# KiCad board multistepper.kicad_pcb (continued)
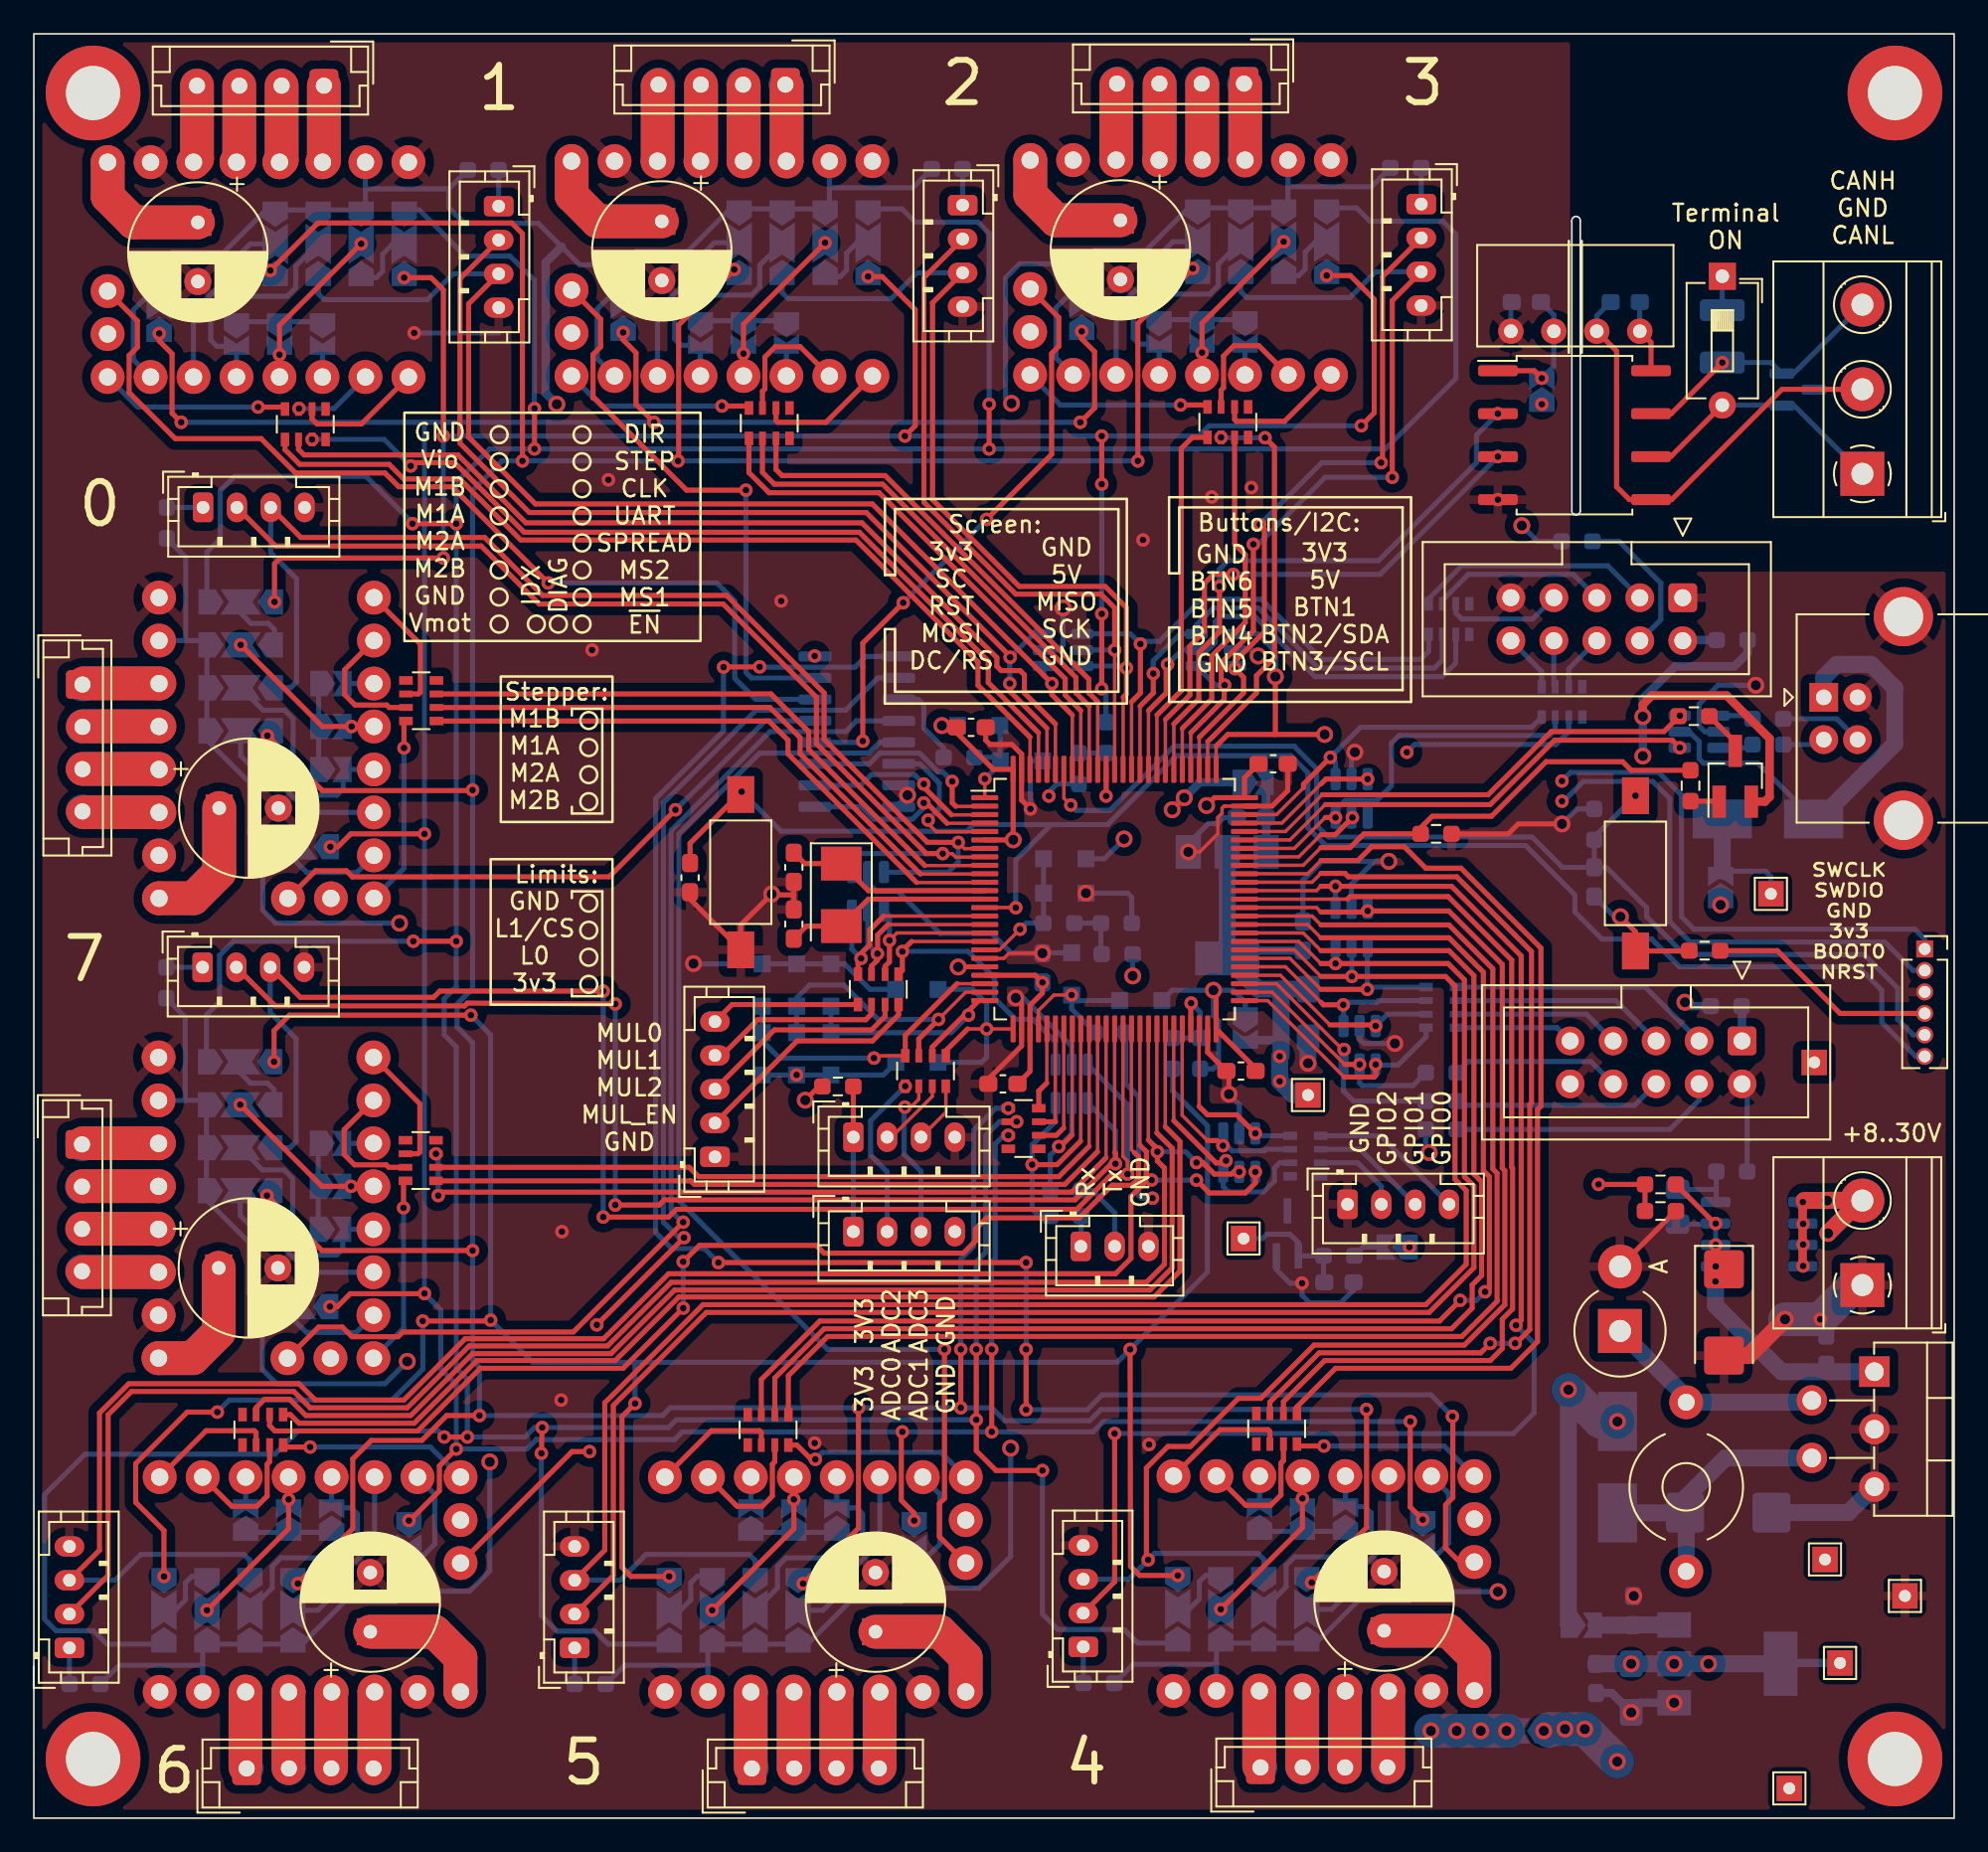
[diagram p0: board, top side]
## Routing (per net, layer and track width the routed paths; a pad name or vN(x,y) marks a point on that pad's centre or on a via; arc(x,y) is an arc through that point) (continued)
/MCU base/MOT_MUL0: length 13.1
  Top w0.2: U1.15 50.23,53.34 ; 48.89,51.13 v2(48.89,50.83)
  Top w0.3: v2(48.89,50.83) 48.71,50.65 RN6.8 ; 50.23,53.34 49.4,52.51 49.4,51.64 48.89,51.13
  Bottom w0.3: D4.6 48.35,51.38 v2(48.89,50.83)
/MCU base/MOT_MUL1: length 11.8
  Top w0.2: U1.16 50.49,52.84 ; 49.87,51.12 v2(49.86,51.11)
  Top w0.3: 49.87,51.12 49.87,52.22 50.49,52.84 ; RN6.7 49.51,50.38 49.86,50.73 v2(49.86,51.11)
  Bottom w0.3: D4.5 49.3,51.67 v2(49.86,51.11)
/MCU base/MOT_MUL2: length 9.8
  Top w0.2: U1.17 51.01,52.34 v2(50.57,51.9)
  Top w0.3: v2(50.57,51.9) 50.57,50.63 50.31,50.37 RN6.6
  Bottom w0.3: D4.4 50.57,53.34 v2(50.57,51.9)
/MCU base/MOT_MUL_EN: length 19.9
  Top w0.2: U1.18 51.88,51.84 ; 51.33,51.29 v2(51.33,51.24)
  Top w0.3: RN6.5 51.33,50.13 v2(51.33,51.24) ; 51.88,51.84 51.33,51.29
  Bottom w0.3: v2(51.33,51.24) 51.35,51.26 55.21,51.26 56.77,49.7 56.77,48.5 58.04,47.23 59.05,47.23 60.39,45.89 D5.1
/MCU base/NRST: length 97
  Top w0.2: U1.14 58.03,53.84 v2(58.04,53.83)
  Top w0.3: SW1.1 41.78,60.64 v2(41.83,60.69) 38.78,57.64 C2.1
  Bottom w0.3: v2(58.04,53.83) 58.04,56.65 60.13,58.74 ; 60.13,58.74 63.49,58.74 63.49,58.77 67.54,62.82 74.29,62.82 75.31,61.81 75.31,58.55 76.36,57.51 88.17,57.51 91.08,54.59 91.08,53.58 92.68,51.98 95.63,51.98 97.27,50.34 107.83,50.34 109.22,48.95 109.22,47.05 111.23,45.04 J1.6 ; 60.13,58.74 55.53,58.74 55.14,58.35 44.17,58.35 v2(41.83,60.69)
/MCU base/OSC_IN: length 12.2
  Top w0.3: U1.12 49.33,54.84 Y1.1 45.56,56.44 C1.1
/MCU base/OSC_OUT: length 12.3
  Top w0.3: C4.1 45.66,52.74 Y1.2 49.32,54.34 U1.13
/MCU base/OUT0: length 10.7
  Top w0.2: 68.87,46.67 68.87,42.08
  Top w0.3: v2(72.2,40.49) 71.1,41.59 69.37,41.59 68.87,42.08
  Bottom w0.3: v2(72.2,40.49) 72.34,40.35 RN2.8
/MCU base/OUT1: length 13.1
  Top w0.2: 67.87,46.67 67.87,41.56 69.37,40.06
  Top w0.3: 69.37,40.06 69.93,40.06 70.23,39.76 v2(70.28,39.76)
  Bottom w0.3: RN2.7 72.81,39.55 72.72,39.45 70.84,39.45 70.53,39.76 v2(70.28,39.76) 70.28,40.47 D6.1
/MCU base/OUT2: length 16.5
  Top w0.2: 67.37,46.67 67.37,41.24
  Top w0.3: 67.37,41.24 69.87,38.74 70.38,38.74 70.46,38.82 v2(70.46,38.88)
  Bottom w0.3: v2(70.46,38.88) 70.46,38.38 D6.6 70.3,37.34 70.6,37.03 72.68,37.03 73.33,37.68 73.33,38.44 73.64,38.75 RN2.6
/MCU base/SCRN_CS: length 14.1
  Top w0.2: 76.07,49 74.24,50.84 71.56,50.84
  Top w0.3: v2(78.82,49) 76.07,49
  Bottom w0.2: 78.82,51.53 D8.4
  Bottom w0.3: 78.82,51.53 v2(78.82,49) 79.05,49.14 RN4.4
/MCU base/SCRN_DCRS: length 14.5
  Top w0.2: 71.56,48.34 72.93,48.34 77.44,43.82
  Top w0.3: v2(79.31,44.56) 79.31,43.91 79.22,43.82 77.44,43.82
  Bottom w0.3: RN4.1 82.28,46.19 80.63,44.53 79.34,44.53 v2(79.31,44.56)
/MCU base/SCRN_MISO: length 15.1
  Top w0.2: v2(77.44,45.45) 77.34,45.45 73.45,49.34 71.56,49.34
  Bottom w0.2: D7.6 77.44,44.6 v2(77.44,45.45)
  Bottom w0.3: D7.6 77.41,42.99 78,42.4 R15.1
/MCU base/SCRN_MOSI: length 12.3
  Top w0.2: 76.61,46.9 73.67,49.84 71.56,49.84 ; 79.25,46.9 v2(79.31,46.84)
  Top w0.3: 76.61,46.9 79.25,46.9
  Bottom w0.3: RN4.2 80.01,47.54 v2(79.31,46.84)
/MCU base/SCRN_RST: length 13
  Top w0.2: 76.07,48.24 73.98,50.34 71.56,50.34
  Top w0.3: 76.07,48.24 76.22,48.09 v2(77.39,48.09)
  Bottom w0.3: D7.1 77.41,48.07 v2(77.39,48.09) 77.55,48.24 79.37,48.24 79.47,48.34 RN4.3
/MCU base/SCRN_SCK: length 14
  Top w0.2: 77.48,44.56 76.72,45.33 76.7,45.33 73.19,48.84 71.56,48.84
  Top w0.3: 77.48,44.56 v2(78.36,44.56)
  Bottom w0.3: R14.1 81.51,43.31 78.51,43.31 78.36,43.47 v2(78.36,44.56)
/MCU base/SWCLK: length 61.5
  Top w0.2: U1.76 69.88,63.39
  Top w0.3: 73.35,64.07 73.38,64.11 v1(73.38,67.5) ; 73.35,64.07 70.57,64.07 69.88,63.39 ; 73.35,64.07 v1(76.29,64.07)
  Power.Cu w0.3: v1(76.29,64.07) 87.57,64.07 v2(90.32,61.32)
  Bottom w0.3: v1(73.38,67.5) 73.38,68.97 72.33,70.02 D2.1 ; J1.1 111.76,51.98 111.17,52.56 98.12,52.56 97.38,53.3 97.38,60.48 96.04,61.83 90.83,61.83 v2(90.32,61.32)
/MCU base/SWDIO: length 51.3
  Top w0.2: 71.56,58.84 73.76,58.84 76.07,61.15
  Top w0.3: v2(78.83,61.44) 76.37,61.44 76.07,61.15
  Power.Cu w0.3: v2(90.32,60.13) 90.32,60.13 90.32,60.05 89.32,60.05 87.94,61.44 v2(78.83,61.44)
  Bottom w0.3: J1.2 111.07,50.12 109.4,51.8 97.89,51.8 96.7,52.99 96.7,60.28 95.68,61.3 91.59,61.3 90.42,60.13 v2(90.32,60.13)
/MCU base/USART1_RX: length 18.2
  Top w0.2: 61.87,46.67 61.87,40.04
  Top w0.3: v2(59,38.64) 60.48,38.64 61.87,40.04
  Bottom w0.3: D5.6 60.39,41.2 59,39.81 v2(59,38.64) 59,36 59.41,35.59 R24.1
/MCU base/USART1_TX: length 13
  Top w0.2: 61.37,46.67 61.37,40.4
  Top w0.3: v2(60.58,39.71) 60.68,39.71 61.37,40.4
  Bottom w0.3: R25.1 60.07,39.2 v2(60.58,39.71) 61.34,40.47 D5.5
/Motors/DIAG0: length 35.8
  Top w0.3: v2(37.92,59.62) 34.01,55.66 23.5,55.66 ; XX1.18 16.65,56.01 18.47,56.01 18.83,55.66 23.5,55.66
  Bottom w0.3: U7.13 43.23,64.88 41.96,63.61 v2(37.92,59.62)
/Motors/DIAG1: length 57.7
  Top w0.3: XX2.18 6.12,88.53 6.12,86.97 5.63,86.48 5.63,84.29 8.36,81.57 13.44,81.57 15.47,79.53 20.75,79.53 21.56,78.72 24.71,78.72 v2(30.4,73.03)
  Bottom w0.3: U7.14 42.67,66.15 41.43,67.39 41.43,71.97 40.36,73.03 v2(30.4,73.03)
/Motors/DIAG2: length 33.6
  Top w0.3: v2(42.09,78.52) 38.58,78.52 33.14,83.96 33.05,83.96 33.05,86.54 33.5,86.99 33.5,88.63 XX3.18
  Bottom w0.3: U7.15 42.42,67.42 42.09,67.75 v2(42.09,78.52)
/Motors/DIAG3: length 35.1
  Top w0.3: v2(49,63.69) 49,69.48 v2(51.38,71.86) ; XX4.18 60.58,88.72 60.58,87.03 60.16,86.6 60.16,80.64 v2(56.31,76.79)
  Bottom w0.3: v2(49,63.69) 48.92,63.61 U7.12 ; v2(51.38,71.86) v2(56.31,76.79)
/Motors/DIAG4: length 113.2
  Top w0.3: v2(83.84,23.76) 83.87,23.78 83.87,18.96 83.44,18.52 83.44,15.98 84.28,15.15 XX5.18 ; v2(40.77,68.05) 40.78,68.07 v2(42.9,68.07) ; v2(58.65,27.72) v2(58.65,24.15) ; v2(58.65,32.85) v2(40.46,32.85)
  Bottom w0.3: v2(58.65,27.72) v2(58.65,32.85) ; v2(40.46,32.85) 39.64,33.67 37.71,33.67 36.75,34.63 36.75,60.28 40.77,64.29 v2(40.77,68.05) ; U7.1 49.17,68.69 48.54,68.05 42.91,68.05 v2(42.9,68.07) ; v2(58.65,24.15) 62.27,24.15 63.14,25.03 82.57,25.03 v2(83.84,23.76)
/Motors/DIAG5: length 69.7
  Top w0.3: XX6.18 53.52,16.65 53.52,18.6 53.82,18.91 v2(53.82,27.72)
  Bottom w0.3: v2(53.82,27.72) 46.91,27.72 38.12,36.51 38.12,58.2 42.9,62.97 49.35,62.97 49.99,63.61 U7.5
/Motors/DIAG6: length 68.7
  Top w0.3: XX7.18 31.81,21.67 v2(32.84,21.67) ; v2(38.43,34.32) v2(33.27,29.17)
  Ground.Cu w0.3: v2(32.84,21.67) 32.84,28.73 v2(33.27,29.17)
  Bottom w0.3: U7.2 49.88,67.42 47.98,65.51 42.7,65.51 37.21,60.03 37.21,35.24 38.12,34.32 v2(38.43,34.32)
/Motors/DIAG7: length 66.8
  Top w0.3: XX8.18 16.83,29.04 18.23,29.04 18.8,28.47 21.53,28.47 21.81,28.75 31.89,28.75 v2(38.38,35.24)
  Bottom w0.3: v2(38.38,35.24) 38.33,35.24 37.67,35.9 37.67,58.4 43.51,64.24 47.98,64.24 48.61,64.88 U7.4
/Motors/MISO: length 353.7
  Top w0.3: v2(30.05,23.1) v2(30,21.57) ; RN7.2 57.6,41.18 v2(58.09,41.18) ; v2(29.59,83.34) v2(29.59,80.96) ; v2(55.7,27.72) v2(55.7,23.55) 55.7,21.72 56.87,20.56 v2(59.61,20.56) ; v2(22.38,76.54) v2(24.97,76.54) ; v2(24.26,22.54) v2(25.63,22.54) ; v2(56.46,83.6) v2(56.46,80.96) ; v2(24.97,51.85) v2(22.43,51.85)
  Bottom w0.3: JP57.3 4.32,10.29 3.53,11.08 1.32,11.08 0.63,11.77 0.63,19.13 3.02,21.52 14.25,21.52 15.62,22.89 23.9,22.89 v2(24.26,22.54) ; JP9.3 10.23,74.85 11.02,75.65 11.02,78.49 11.86,79.33 19.63,79.33 22.38,76.59 v2(22.38,76.54) ; v2(56.46,83.6) 56.46,93.71 55.8,94.37 52.09,94.37 51.32,95.15 JP25.3 ; JP17.3 22.78,95.08 25.51,92.36 28.15,92.36 29.59,90.91 v2(29.59,83.34) ; v2(22.43,51.85) 11.81,51.85 10.97,51.01 10.97,48.27 10.2,47.49 JP65.3 ; v2(58.09,41.18) 57.07,41.18 56.26,40.37 56.26,33.46 55.7,32.9 v2(55.7,27.72) ; v2(30,21.57) 30,11.97 30.91,11.06 33.17,11.06 33.94,10.29 JP49.3 ; v2(55.7,23.55) 37.97,23.55 37.51,23.1 v2(30.05,23.1) 29.59,23.1 29.03,22.54 v2(25.63,22.54) 25.63,25.94 24.97,26.6 24.97,45.6 24.26,46.31 24.26,48.45 24.97,49.16 v2(24.97,51.85) v2(24.97,76.54) 24.97,78.98 26.95,80.96 v2(29.59,80.96) v2(56.46,80.96) 79.88,80.96 84.05,85.12 84.05,93.66 83.29,94.42 78.97,94.42 78.18,95.21 JP33.3 ; v2(59.61,20.56) 59.61,12.07 60.53,11.16 64.44,11.16 65.24,10.35 JP41.3
/Motors/MOSI: length 236.6
  Top w0.3: v2(24.97,21.83) 23.97,20.83 23.97,19.36 22.21,17.59 v2(22.17,17.59) ; v2(23.09,58.2) 23.08,58.2 18.73,58.2 17.97,57.43 v2(17.53,57.43) ; v2(51.33,22.84) 51.27,22.78 51.27,18.79 52.03,18.03 v2(52.03,17.59) ; v2(56.62,22.84) v2(56.62,27.72) ; v2(82.09,17.65) 81.35,18.4 81.35,23.45 v2(81.36,23.45) ; v2(23.09,31.02) 23.08,31.01 18.7,31.01 17.94,30.25 v2(17.5,30.25) ; v2(8.71,82.53) 8.17,83.07 8.17,86.58 7.41,87.34 v2(7.41,87.78) ; v2(61.93,87.91) 61.93,87.47 62.7,86.71 62.7,83.38 v2(61.85,82.53) ; v2(36.65,82.53) 35.59,83.59 35.59,86.64 34.83,87.41 v2(34.83,87.84)
  Bottom w0.3: v2(81.36,23.45) 63.22,23.45 62.61,22.84 v2(56.62,22.84) v2(51.33,22.84) 38.33,22.84 37.87,22.38 29.69,22.38 29.13,21.83 v2(24.97,21.83) 24.97,25.64 24.05,26.55 24.05,30.06 v2(23.09,31.02) v2(23.09,58.2) 23.09,82.53 ; v2(57.6,40.37) 57.33,40.37 56.82,39.86 56.82,33.1 56.62,32.9 v2(56.62,27.72) ; v2(61.85,82.53) v2(36.65,82.53) 23.09,82.53 ; 23.09,82.53 v2(8.71,82.53)
/Motors/SCK: length 291
  Top w0.3: v2(75.52,13.93) 78.77,17.18 78.77,22.74 v2(78.76,24.16) ; v2(38.07,80.25) 38.11,80.28 38.11,88.28 v2(41.4,91.57) ; v2(45.46,13.87) 48.74,17.15 v2(48.74,24.26) ; v2(15.6,13.87) 18.85,17.12 18.85,21.24 19.94,22.33 22.93,22.33 24.4,23.81 v2(26.34,23.81) ; v2(28.88,80.25) 28.88,93.68 28.24,94.32 16.79,94.32 v2(13.98,91.5) ; v2(65.25,80.25) 65.25,88.38 v2(68.5,91.63) ; v2(54.79,24.26) v2(54.79,27.72) ; v2(13.78,36.81) 17.03,33.56 v2(25.93,33.56) ; v2(13.81,64) 17.05,60.76 25.9,60.76 v2(25.93,60.79)
  Bottom w0.3: v2(78.76,24.16) 63.07,24.16 62.41,23.5 57.38,23.5 56.62,24.26 v2(54.79,24.26) v2(48.74,24.26) 37.62,24.26 37.16,23.81 v2(26.34,23.81) 26.34,26.65 25.93,27.06 25.93,45.85 25.02,46.77 25.02,48.14 25.93,49.05 v2(25.93,60.79) 25.93,78.52 27.66,80.25 v2(38.07,80.25) v2(65.25,80.25) ; v2(57.6,41.97) 56.85,41.97 55.55,40.67 55.55,33.81 54.79,33.05 v2(54.79,27.72)
/Motors/stepper_M1/CLK: length 1.8
  Bottom w0.3: XX1.6 JP15.2
/Motors/stepper_M1/DIRx: length 7.6
  Top w0.3: RN8.2 22.74,66.47 22.84,66.58 22.84,69.42 XX1.8
/Motors/stepper_M1/MS1: length 6.2
  Bottom w0.3: XX1.2 19.08,55.91 16.14,55.91 15.53,56.52 JP10.2
/Motors/stepper_M1/MS2: length 10.7
  Bottom w0.3: XX1.3 16.24,59.47 14.36,61.35 13.7,61.35 12.23,62.82 JP11.2
/Motors/stepper_M1/SPR: length 14.1
  Bottom w0.3: JP12.2 13.55,65.51 14.82,65.51 15.32,65 15.32,61.09 15.93,60.48 17.92,60.48 18.28,60.85 JP13.2 XX1.4
/Motors/stepper_M1/STEPx: length 7.9
  Top w0.3: RN8.3 21.01,65.67 20.86,65.82 18.98,65.82 18.37,66.43 18.37,67.9 XX1.7
/Motors/stepper_M1/U: length 9.9
  Top w0.3: v2(12.23,69.37) 17.05,64.55 v2(18.78,64.55)
  Bottom w0.3: v2(18.78,64.55) XX1.5
/Motors/stepper_M1/~{ENx}: length 11.3
  Top w0.3: v2(21.88,63.28) 21.88,64.75 RN8.4
  Bottom w0.3: v2(21.88,63.28) 21.88,56.16 XX1.1
/Motors/stepper_M2/CLK: length 1.8
  Bottom w0.3: XX2.6 JP23.2
/Motors/stepper_M2/DIRx: length 7.6
  Top w0.3: XX2.8 19.36,82.43 16.74,82.43 16.44,82.72 RN9.2
/Motors/stepper_M2/MS1: length 6.2
  Bottom w0.3: JP18.2 6.49,89.78 5.88,89.17 5.88,86.23 XX2.2
/Motors/stepper_M2/MS2: length 10.7
  Bottom w0.3: XX2.3 9.44,89.07 11.32,90.95 11.32,91.61 12.79,93.08 JP19.2
/Motors/stepper_M2/SPR: length 14.1
  Bottom w0.3: XX2.4 JP21.2 10.83,87.03 10.46,87.39 10.46,89.38 11.07,89.99 14.98,89.99 15.49,90.49 15.49,91.76 JP20.2
/Motors/stepper_M2/STEPx: length 4.7
  Top w0.3: v2(15.67,83.34) 15.64,83.32 RN9.3
  Bottom w0.3: v2(15.67,83.34) 17.73,83.34 XX2.7
/Motors/stepper_M2/U: length 9.9
  Top w0.3: v2(14.52,86.53) 14.52,88.26 v2(19.35,93.08)
  Bottom w0.3: v2(14.52,86.53) XX2.5
/Motors/stepper_M2/~{ENx}: length 11.3
  Top w0.3: RN9.4 14.73,83.43 v2(13.25,83.43)
  Bottom w0.3: v2(13.25,83.43) 6.14,83.43 XX2.1
/Motors/stepper_M3/CLK: length 1.8
  Bottom w0.3: XX3.6 JP31.2
/Motors/stepper_M3/DIRx: length 7.6
  Top w0.3: RN10.2 43.87,82.64 43.97,82.53 46.82,82.53 XX3.8
/Motors/stepper_M3/MS1: length 6.2
  Bottom w0.3: JP26.2 33.91,89.84 33.31,89.23 33.31,86.29 XX3.2
/Motors/stepper_M3/MS2: length 10.7
  Bottom w0.3: JP27.2 40.21,93.15 38.74,91.67 38.74,91.01 36.86,89.13 XX3.3
/Motors/stepper_M3/SPR: length 14.1
  Bottom w0.3: XX3.4 JP29.2 38.25,87.09 37.88,87.46 37.88,89.44 38.49,90.05 42.4,90.05 42.91,90.56 42.91,91.83 JP28.2
/Motors/stepper_M3/STEPx: length 7.9
  Top w0.3: RN10.3 43.07,84.36 43.21,84.51 43.21,86.39 43.82,87 45.29,87 XX3.7
/Motors/stepper_M3/U: length 9.9
  Top w0.3: v2(41.94,86.59) 41.94,88.32 v2(46.77,93.15)
  Bottom w0.3: v2(41.94,86.59) XX3.5
/Motors/stepper_M3/~{ENx}: length 11.3
  Top w0.3: RN10.4 42.15,83.49 v2(40.67,83.49)
  Bottom w0.3: XX3.1 33.56,83.49 v2(40.67,83.49)
/Motors/stepper_M4/CLK: length 1.8
  Bottom w0.3: XX4.6 JP39.2
/Motors/stepper_M4/DIRx: length 7.6
  Top w0.3: XX4.8 73.92,82.59 71.08,82.59 70.97,82.7 RN11.2
/Motors/stepper_M4/MS1: length 6.2
  Bottom w0.3: XX4.2 60.41,86.35 60.41,89.3 61.02,89.91 JP34.2
/Motors/stepper_M4/MS2: length 10.7
  Bottom w0.3: JP35.2 67.32,93.21 65.85,91.73 65.85,91.07 63.97,89.19 XX4.3
/Motors/stepper_M4/SPR: length 14.1
  Bottom w0.3: JP36.2 70.01,91.89 70.01,90.62 69.5,90.11 65.59,90.11 64.98,89.5 64.98,87.52 65.35,87.15 JP37.2 XX4.4
/Motors/stepper_M4/STEPx: length 7.9
  Top w0.3: XX4.7 72.4,87.06 70.93,87.06 70.32,86.45 70.32,84.57 70.17,84.43 RN11.3
/Motors/stepper_M4/U: length 9.9
  Top w0.3: v2(73.87,93.21) 69.05,88.38 v2(69.05,86.65)
  Bottom w0.3: v2(69.05,86.65) XX4.5
/Motors/stepper_M4/~{ENx}: length 11.3
  Top w0.3: RN11.4 69.25,83.56 v2(67.78,83.56)
  Bottom w0.3: XX4.1 60.66,83.56 v2(67.78,83.56)
/Motors/stepper_M5/CLK: length 1.8
  Bottom w0.3: XX5.6 JP47.2
/Motors/stepper_M5/DIRx: length 7.6
  Top w0.3: RN12.2 73.06,22.86 72.95,22.97 70.1,22.97 XX5.8
/Motors/stepper_M5/MS1: length 6.2
  Bottom w0.3: JP42.2 83.01,15.65 83.62,16.26 83.62,19.21 XX5.2
/Motors/stepper_M5/MS2: length 10.7
  Bottom w0.3: JP43.2 76.71,12.35 78.18,13.83 78.18,14.49 80.06,16.37 XX5.3
/Motors/stepper_M5/SPR: length 14.1
  Bottom w0.3: XX5.4 JP45.2 78.67,18.41 79.04,18.04 79.04,16.06 78.43,15.45 74.52,15.45 74.01,14.94 74.01,13.67 JP44.2
/Motors/stepper_M5/STEPx: length 7.9
  Top w0.3: RN12.3 73.86,21.13 73.71,20.99 73.71,19.11 73.1,18.5 71.63,18.5 XX5.7
/Motors/stepper_M5/U: length 9.9
  Top w0.3: v2(74.98,18.91) 74.98,17.18 v2(70.15,12.35)
  Bottom w0.3: v2(74.98,18.91) XX5.5
/Motors/stepper_M5/~{ENx}: length 11.3
  Top w0.3: RN12.4 74.77,22 v2(76.25,22)
  Bottom w0.3: XX5.1 83.36,22 v2(76.25,22)
/Motors/stepper_M6/CLK: length 1.8
  Bottom w0.3: XX6.6 JP55.2
/Motors/stepper_M6/DIRx: length 7.6
  Top w0.3: RN13.2 43,22.8 42.89,22.91 40.04,22.91 XX6.8
/Motors/stepper_M6/MS1: length 6.2
  Bottom w0.3: JP50.2 52.95,15.59 53.56,16.2 53.56,19.15 XX6.2
/Motors/stepper_M6/MS2: length 10.7
  Bottom w0.3: JP51.2 46.65,12.29 48.12,13.77 48.12,14.43 50,16.31 XX6.3
/Motors/stepper_M6/SPR: length 14.1
  Bottom w0.3: XX6.4 JP53.2 48.61,18.35 48.98,17.98 48.98,16 48.37,15.39 44.46,15.39 43.95,14.88 43.95,13.61 JP52.2
/Motors/stepper_M6/STEPx: length 7.9
  Top w0.3: RN13.3 43.8,21.07 43.65,20.93 43.65,19.05 43.04,18.44 41.57,18.44 XX6.7
/Motors/stepper_M6/U: length 9.9
  Top w0.3: v2(40.09,12.29) 44.92,17.12 v2(44.92,18.85)
  Bottom w0.3: v2(44.92,18.85) XX6.5
/Motors/stepper_M6/~{ENx}: length 11.6
  Top w0.3: v2(46.19,21.22) 45.95,21.22 45.1,22.06 RN13.4
  Bottom w0.3: XX6.1 53.62,21.63 46.6,21.63 v2(46.19,21.22)
/Motors/stepper_M7/CLK: length 1.8
  Bottom w0.3: XX7.6 JP63.2
/Motors/stepper_M7/DIRx: length 7.6
  Top w0.3: RN14.2 13.13,22.8 13.03,22.91 10.18,22.91 XX7.8
/Motors/stepper_M7/MS1: length 6.2
  Bottom w0.3: XX7.2 23.69,19.15 23.69,16.2 23.09,15.59 JP58.2
/Motors/stepper_M7/MS2: length 10.7
  Bottom w0.3: XX7.3 20.14,16.31 18.26,14.43 18.26,13.77 16.79,12.29 JP59.2
/Motors/stepper_M7/SPR: length 14.1
  Bottom w0.3: XX7.4 JP61.2 18.75,18.35 19.12,17.98 19.12,16 18.51,15.39 14.6,15.39 14.09,14.88 14.09,13.61 JP60.2
/Motors/stepper_M7/STEPx: length 7.9
  Top w0.3: XX7.7 11.71,18.44 13.18,18.44 13.79,19.05 13.79,20.93 13.93,21.07 RN14.3
/Motors/stepper_M7/U: length 9.9
  Top w0.3: v2(15.06,18.85) 15.06,17.12 v2(10.23,12.29)
  Bottom w0.3: v2(15.06,18.85) XX7.5
/Motors/stepper_M7/~{ENx}: length 11.3
  Top w0.3: v2(16.33,21.94) 14.85,21.94 RN14.4
  Bottom w0.3: XX7.1 23.44,21.94 v2(16.33,21.94)
/Motors/stepper_M8/CLK: length 1.8
  Bottom w0.3: XX8.6 JP71.2
/Motors/stepper_M8/DIRx: length 7.6
  Top w0.3: RN15.2 22.71,39.28 22.82,39.39 22.82,42.24 XX8.8
/Motors/stepper_M8/MS1: length 6.2
  Bottom w0.3: JP66.2 15.5,29.33 16.11,28.72 19.06,28.72 XX8.2
/Motors/stepper_M8/MS2: length 10.7
  Bottom w0.3: JP67.2 12.2,35.63 13.67,34.16 14.33,34.16 16.21,32.28 XX8.3
/Motors/stepper_M8/SPR: length 14.1
  Bottom w0.3: XX8.4 JP69.2 18.26,33.66 17.89,33.29 15.91,33.29 15.3,33.9 15.3,37.82 14.79,38.32 13.52,38.32 JP68.2
/Motors/stepper_M8/STEPx: length 7.9
  Top w0.3: RN15.3 20.98,38.48 20.83,38.63 18.95,38.63 18.34,39.24 18.34,40.71 XX8.7
/Motors/stepper_M8/U: length 9.9
  Top w0.3: v2(12.2,42.18) 17.02,37.36 v2(18.75,37.36)
  Bottom w0.3: v2(18.75,37.36) XX8.5
/Motors/stepper_M8/~{ENx}: length 11.3
  Top w0.3: RN15.4 21.85,37.57 v2(21.85,36.09)
  Bottom w0.3: v2(21.85,36.09) 21.85,28.98 XX8.1
/Motors/USART0-3: length 124.9
  Top w0.3: v2(14.23,71.91) 14.23,74.17 14.57,74.51 v2(24.21,74.51) ; v2(24.21,81.72) 24.21,90.36 23.48,91.08 v2(21.89,91.08) ; v2(51.48,81.72) 52.09,82.33 52.09,89.19 50.14,91.15 v2(49.31,91.15) ; v2(63.12,66.78) v2(63.12,71.2) ; v2(78.46,82.33) 79.22,83.09 79.22,89.8 77.81,91.21 v2(76.41,91.21) ; v2(63.12,81.72) v2(63.12,78.87)
  Bottom w0.3: 63.37,64.8 63.37,66.53 v2(63.12,66.78) ; v2(63.12,71.2) v2(63.12,78.87) ; v2(24.21,74.51) v2(24.21,81.72) v2(51.48,81.72) v2(63.12,81.72) 68.86,81.72 69.47,82.33 v2(78.46,82.33)
/Motors/USART4-7: length 156
  Top w0.3: v2(64.79,27.72) 64.82,14.89 65.36,14.35 v2(67.61,14.35) ; v2(10.84,24.01) 9.07,24.01 6.02,20.96 6.02,18.68 7.69,17 v2(7.69,14.29) ; v2(37.55,14.29) 35.3,14.29 34.76,14.83 34.76,23.74 v2(35.53,24.52) ; v2(22.99,29.4) 26.95,29.4 v2(27,29.45) ; v2(14.2,44.72) 14.2,46.57 15.11,47.48 v2(25.83,47.48)
  Bottom w0.3: 35.53,26.96 29.49,26.96 29.08,27.36 ; 35.53,26.96 v2(35.53,24.52) ; 35.53,26.96 64.03,26.96 v2(64.79,27.72) 69.37,32.29 69.37,40.94 67.31,43 R21.2 ; v2(25.83,47.48) 27,46.31 v2(27,29.45) 29.08,27.36 ; 29.08,27.36 29.34,27.11 ; v2(10.84,24.01) 11.56,24.72 21.16,24.72 22.99,26.55 v2(22.99,29.4)
/Motors/Vm: length 494
  Top w2: 4.37,97.91 4.37,95.88 5.89,94.35 9.7,94.35 ; 25.21,7.47 25.21,9.5 23.69,11.02 19.88,11.02 ; 7.37,27.21 9.41,27.21 10.93,28.73 10.93,32.54 ; 7.4,54.39 9.43,54.39 10.96,55.92 10.96,59.73 ; 37.12,94.41 33.31,94.41 31.79,95.94 31.79,97.97 ; 55.07,7.47 55.07,9.5 53.55,11.02 49.74,11.02 ; 79.8,11.08 83.61,11.08 85.13,9.56 85.13,7.53 ; 58.89,98.03 58.89,96 60.42,94.48 64.23,94.48
  Ground.Cu w2: 37.14,94.4 33.33,94.4 31.8,95.92 31.8,97.96 ; 7.42,54.41 9.45,54.41 10.97,55.93 10.97,59.74 ; 19.86,11.04 23.67,11.04 25.2,9.51 25.2,7.48 ; 9.72,94.34 5.91,94.34 4.38,95.86 4.38,97.89 ; 58.91,98.02 58.91,95.99 60.43,94.46 64.24,94.46 ; 55.06,7.48 55.06,9.51 53.53,11.04 49.72,11.04 ; 79.78,11.1 83.59,11.1 85.12,9.57 85.12,7.54 ; 10.94,32.56 10.94,28.75 9.42,27.22 7.39,27.22
  Power.Cu w2: 4.4,97.88 4.4,95.85 5.92,94.32 9.73,94.32 ; 55.24,5.16 55.08,5.33 XX6.16 ; 55.24,5.16 v1(82.57,5.16) v1(85.52,5.16) ; 55.24,5.16 25.27,5.16 25.22,5.22 XX7.16 ; 37.15,94.38 33.34,94.38 31.82,95.91 31.82,97.94 ; XX5.16 85.14,5.54 v1(85.52,5.16) ; 79.77,11.11 83.58,11.11 85.1,9.59 85.1,7.56 ; 4.95,27.21 4.95,11.45 5.6,10.79 19.66,10.79 C25.1 ; 4.95,27.21 4.95,54.69 ; 4.95,27.21 4.96,27.2 XX8.16 ; XX4.16 56.71,100.21 31.67,100.21 31.78,100.1 XX3.16 25.97,97.97 23,95 10.34,95 C20.1 4.85,94.35 1.85,91.35 1.85,73.39 4.95,70.29 4.95,54.69 ; 4.95,54.69 5.25,54.39 XX1.16 ; v1(85.52,5.16) v1(87.04,5.16) ; 7.43,54.42 9.46,54.42 10.99,55.95 10.99,59.76 ; 64.26,94.45 60.45,94.45 58.92,95.97 58.92,98 ; 49.71,11.05 53.52,11.05 55.04,9.53 55.04,7.5 ; 25.18,7.5 25.18,9.53 23.66,11.05 19.85,11.05 ; 7.4,27.24 9.44,27.24 10.96,28.76 10.96,32.57
  Bottom w2: XX1.16 9.43,54.39 10.96,55.91 C19.1 ; C26.1 10.93,28.72 9.4,27.2 XX8.16 ; C20.1 5.88,94.35 4.36,95.88 XX2.16 ; v1(82.57,5.16) v1(84.1,5.16) 87.14,5.16 ; XX5.16 85.14,9.56 83.62,11.08 C23.1 ; XX4.16 58.89,96 60.41,94.48 C22.1 ; XX7.16 25.22,9.5 23.69,11.02 C25.1 ; XX6.16 55.08,9.5 53.56,11.02 C24.1 ; XX3.16 31.78,95.94 33.31,94.42 C21.1
/VB: length 26.9
  Bottom w0.3: U3.5 97.84,64.24 98.43,63.65 98.43,62.63 98.69,62.38 101.89,62.38 D22.2
  Bottom w1: D22.2 105.54,59.08 109.99,63.52 109.99,66.82 108.59,68.22 106.56,68.22 105.79,67.45 J8.1
ADC0: length 9.9
  Bottom w0.3: v2(51.5,43.28) 49.45,41.23 49.45,39.2 50.43,38.22 J4.2
ADC1: length 9.2
  Top w0.2: 51.84,42.05 52.3,42.51 RN5.2
  Bottom w0.3: J4.3 52.43,38.25 51.43,39.25 51.43,42
  vias: v2(51.48,42.05)
ADC2: length 4.3
  Top w0.2: J5.2 50.69,40.27 53.1,42.68 RN5.3
ADC3: length 3.6
  Top w0.2: J5.3 53.9,41.74 RN5.4
ADC4: length 45.4
  Top w0.3: R11.2 R10.1 v2(92.48,37.47)
  Power.Cu w0.3: v2(66.12,36.66) 66.68,36.66 70.89,32.44 85.72,32.44 90.75,37.47 v2(92.48,37.47)
  Bottom w0.3: R8.2 64.54,43.42 65.3,42.65 65.3,36.81 65.46,36.66 v2(66.12,36.66)
ADC5: length 3.4
  Bottom w0.3: R7.1 R13.2 63.07,51.14 R12.1
CAN_RX: length 34.2
  Top w0.2: U1.81 67.38,64.7
  Top w0.3: 67.38,64.7 68.86,66.17 68.86,68.92 70.08,70.14 v2(70.08,72.83)
  Bottom w0.3: v2(86.53,83.04) 85.27,81.77 85.27,80.14 79.48,74.35 70.59,74.35 70.08,73.85 v2(70.08,72.83)
CAN_TX: length 32.4
  Top w0.2: U1.82 66.88,64.96
  Top w0.3: v2(70.89,73.54) 69.72,73.54 69.19,73.01 69.19,70.16 68.33,69.3 68.33,66.4 66.88,64.96
  Bottom w0.3: v2(70.89,73.54) 79.57,73.54 v2(86.53,80.5)
DIAGNOST: length 5.2
  Bottom w0.3: R6.1 53.77,63.28 52.6,64.45 52.6,65.82 52.27,66.15 U7.3
Earth: length 32.2
  Top w0.3: Q1.3 93.55,86.75 93.55,78.72 94.31,77.96 U2.5 96.8,77.96 103.32,84.48 J9.2
  Bottom w0.3: C11.2 92.38,88.83 Q1.3 ; D24.3 105.23,84.48 J9.2
M0_DIR: length 37.2
  Top w0.2: 56.13,56.32 52.66,56.32
  Top w0.3: RN8.7 43.57,66.47 45.8,64.24 45.8,63.19 52.66,56.32
M0_EN: length 36.8
  Top w0.2: 52.18,55.32 56.13,55.32
  Top w0.3: RN8.5 43.44,64.87 44.58,63.74 44.58,62.92 52.18,55.32
M0_L0: length 60.7
  Top w0.2: v2(53.72,57.03) 54.28,57.03 54.49,56.82 56.13,56.82
  Top w0.3: J11.2 14.29,75.21 26.44,75.21 26.44,75.22 29.87,71.79 40.74,71.79 46.25,66.28 46.25,63.53 52.72,57.07 52.72,57.03 v2(53.72,57.03)
  Bottom w0.3: D4.1 48.35,56.79 48.59,57.03 v2(53.72,57.03)
M0_L1: length 70.3
  Top w0.2: v2(54.63,57.69) 55,57.32 56.13,57.32 ; 52.82,57.7 52.81,57.7
  Top w0.3: v2(54.63,57.69) 52.82,57.7 ; J11.3 15.78,75.72 26.65,75.72 30.07,72.3 40.94,72.3 46.71,66.53 46.71,63.79 52.01,58.48 52.03,58.48 52.81,57.7
  Bottom w0.3: JP12.1 15.17,66.83 15.53,67.19 15.53,73.28 14,74.81 J11.3 ; D4.3 54.04,55.93 54.63,56.52 v2(54.63,57.69)
M0_STEP: length 37
  Top w0.2: 56.13,55.82 52.4,55.82
  Top w0.3: RN8.6 43.51,65.67 45.29,63.89 45.29,62.94 52.4,55.82
M1_DIR: length 53.2
  Top w0.2: U1.97 59.38,64.17
  Top w0.3: 59.38,64.17 56.41,67.14 56.41,68.41 48.79,76.03 28.98,76.03 24.87,80.14 22.47,80.14 v2(22.27,79.95)
  Bottom w0.3: v2(16.44,81.52) 20.71,81.52 v2(22.27,79.95)
M1_EN: length 54.4
  Top w0.2: U1.98 58.88,63.91
  Top w0.3: RN9.5 14.84,80.92 15.72,80.04 21,80.04 21.87,79.18 25.17,79.18 28.78,75.57 48.59,75.57 55.8,68.36 55.8,66.99 58.88,63.91
M1_L0: length 60.8
  Top w0.2: U1.96 59.88,64.43
  Top w0.3: v2(57.68,67.09) 57.73,67.04 57.73,66.58 59.88,64.43 ; J14.2 25.19,91.02 25.19,81.3 29.29,77.2 49.2,77.2 57.73,68.66
  Bottom w0.3: D3.3 59.09,70.02 v2(57.71,68.64) 57.68,68.61 v2(57.68,67.09)
M1_L1: length 70.1
  Top w0.2: U1.93 61.38,65.22
  Top w0.3: 61.38,65.22 60.17,66.43 v2(60.17,67.09) 49.55,77.71 29.64,77.71 25.7,81.65 25.7,89.53 J14.3
  Bottom w0.3: JP20.1 16.81,90.14 17.16,89.78 23.26,89.78 24.79,91.31 J14.3 ; v2(60.17,67.09) 59.69,67.57 D3.1
M1_STEP: length 55.7
  Top w0.2: U1.95 60.38,64.7
  Top w0.3: RN9.6 15.64,80.93 15.98,80.6 25.07,80.6 29.08,76.59 48.94,76.59 56.92,68.61 56.92,68.1 57.17,67.85 58.29,67.85 58.55,67.6 58.55,66.53 60.38,64.7
M2_DIR: length 31
  Top w0.2: U1.90 62.88,66.01
  Top w0.3: RN10.7 43.87,79.74 44.22,79.38 50.32,79.38 62.36,67.34 62.36,66.53 62.88,66.01
M2_EN: length 31.5
  Top w0.2: U1.92 61.88,65.48
  Top w0.3: 61.88,65.48 60.96,66.4 60.96,67.37 49.96,78.37 43.46,78.37 42.27,79.56 RN10.5
M2_L0: length 41.8
  Top w0.2: U1.88 v2(63.88,69.07)
  Top w0.3: v2(63.88,69.07) 63.88,71.56 63.07,72.37 58.04,72.37 52.61,77.8 52.61,91.09 J16.2
  Bottom w0.3: D3.5 v2(63.88,69.07)
M2_L1: length 53
  Top w0.2: U1.87 64.38,66.27
  Top w0.3: J16.3 53.12,89.59 53.12,77.95 58.24,72.83 63.32,72.83 64.58,71.57 v2(64.58,68) 64.58,66.47 64.38,66.27